# Altium PCB PCB1.PcbDoc
Units mm, origin at the board's own origin, x right, y up, seen from the top; angles counter-clockwise.
Board outline 97 x 97 mm, 2 copper layers (Top Layer, Bottom Layer); 13 components, 13 nets, 101 pads, 1 vias.
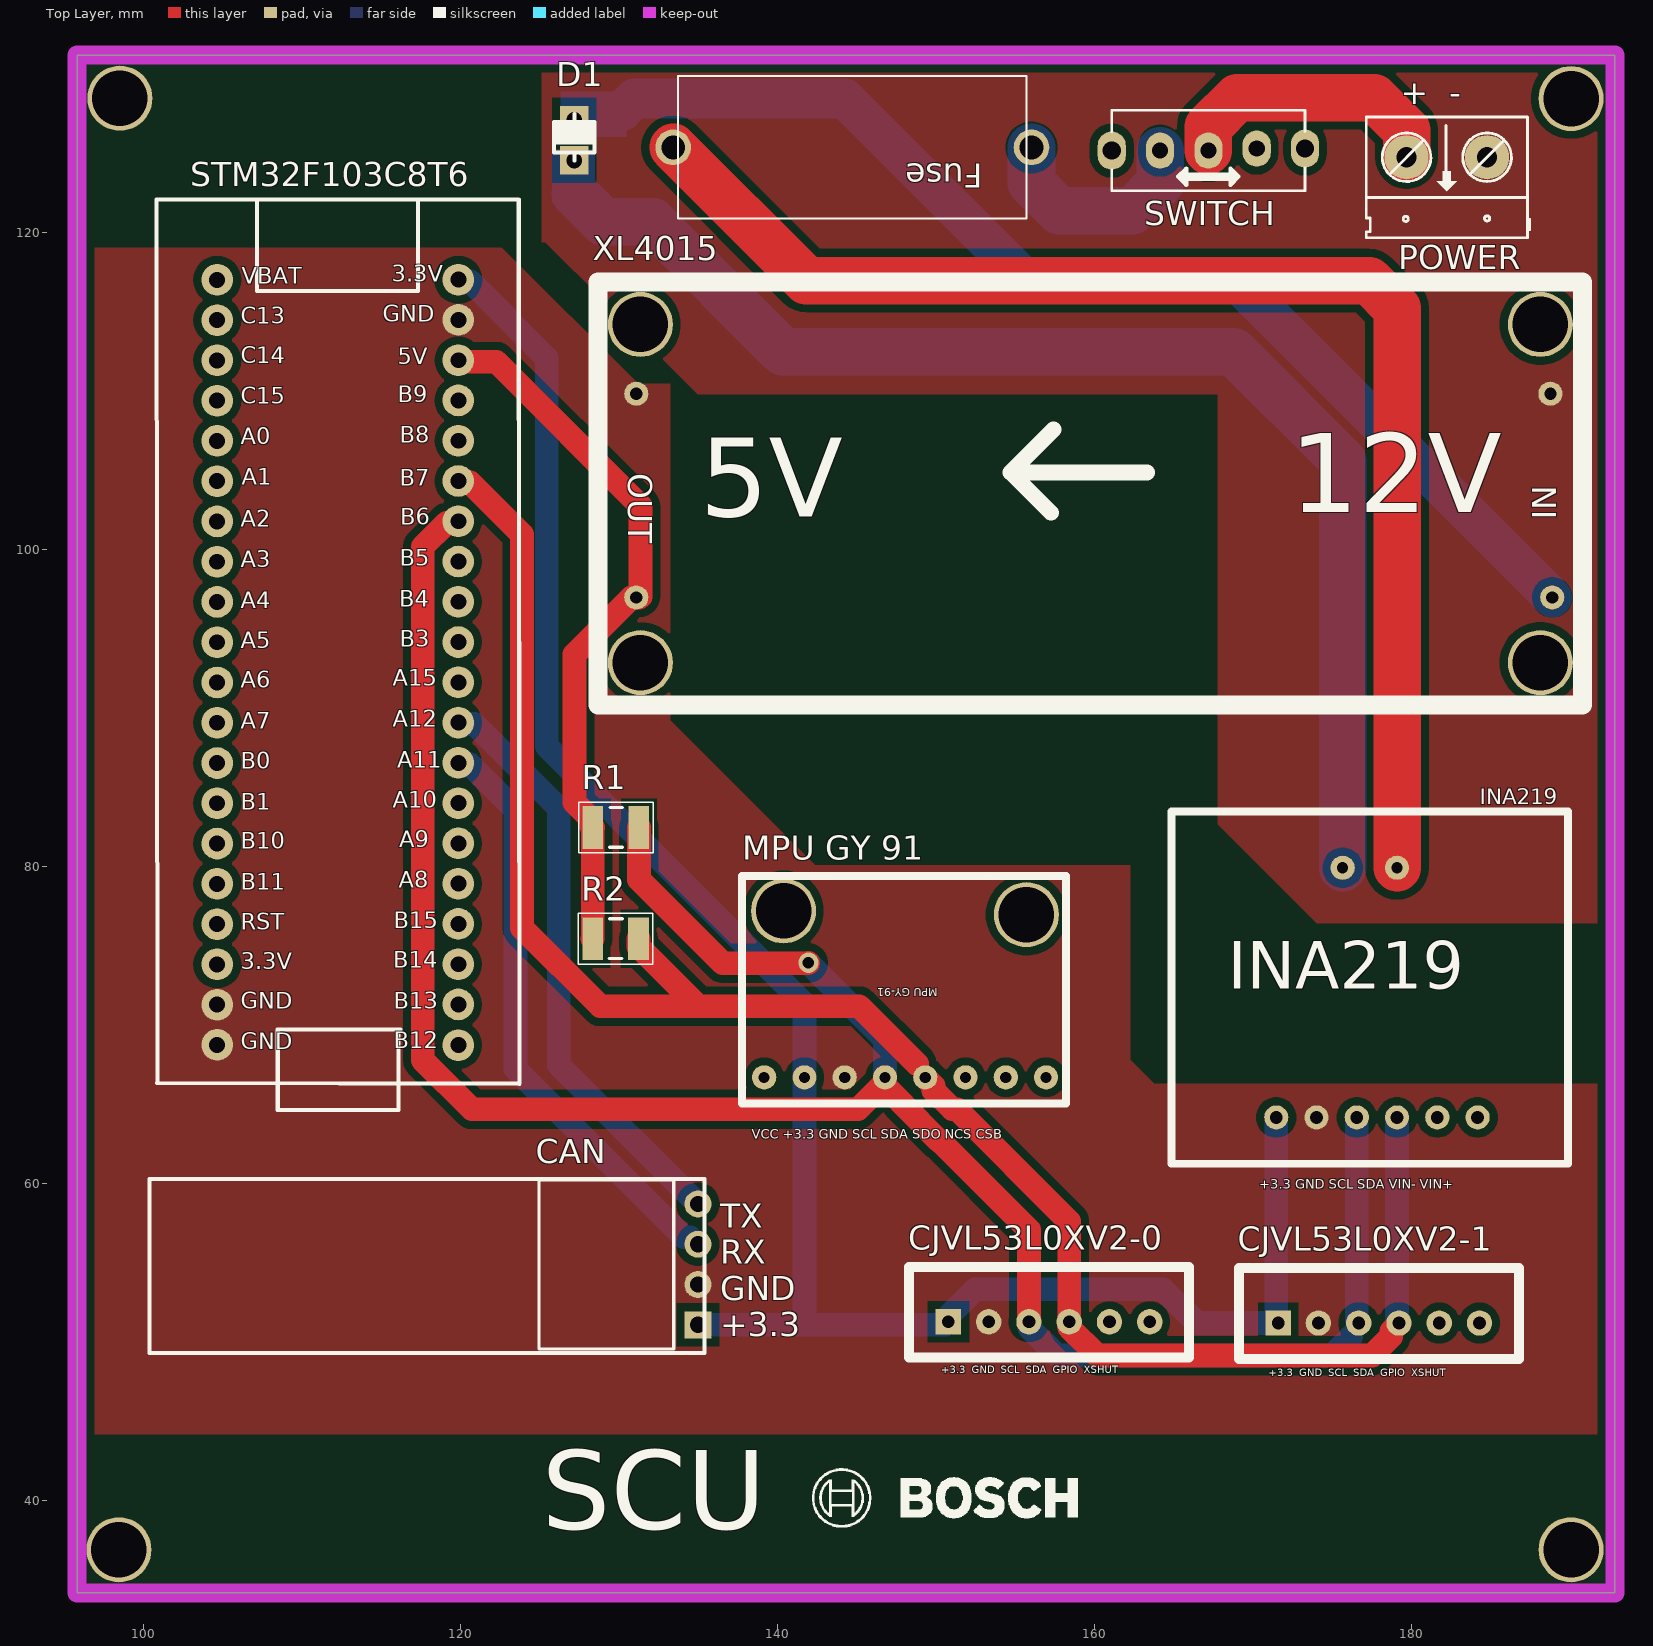
[diagram p0: Top Layer view]
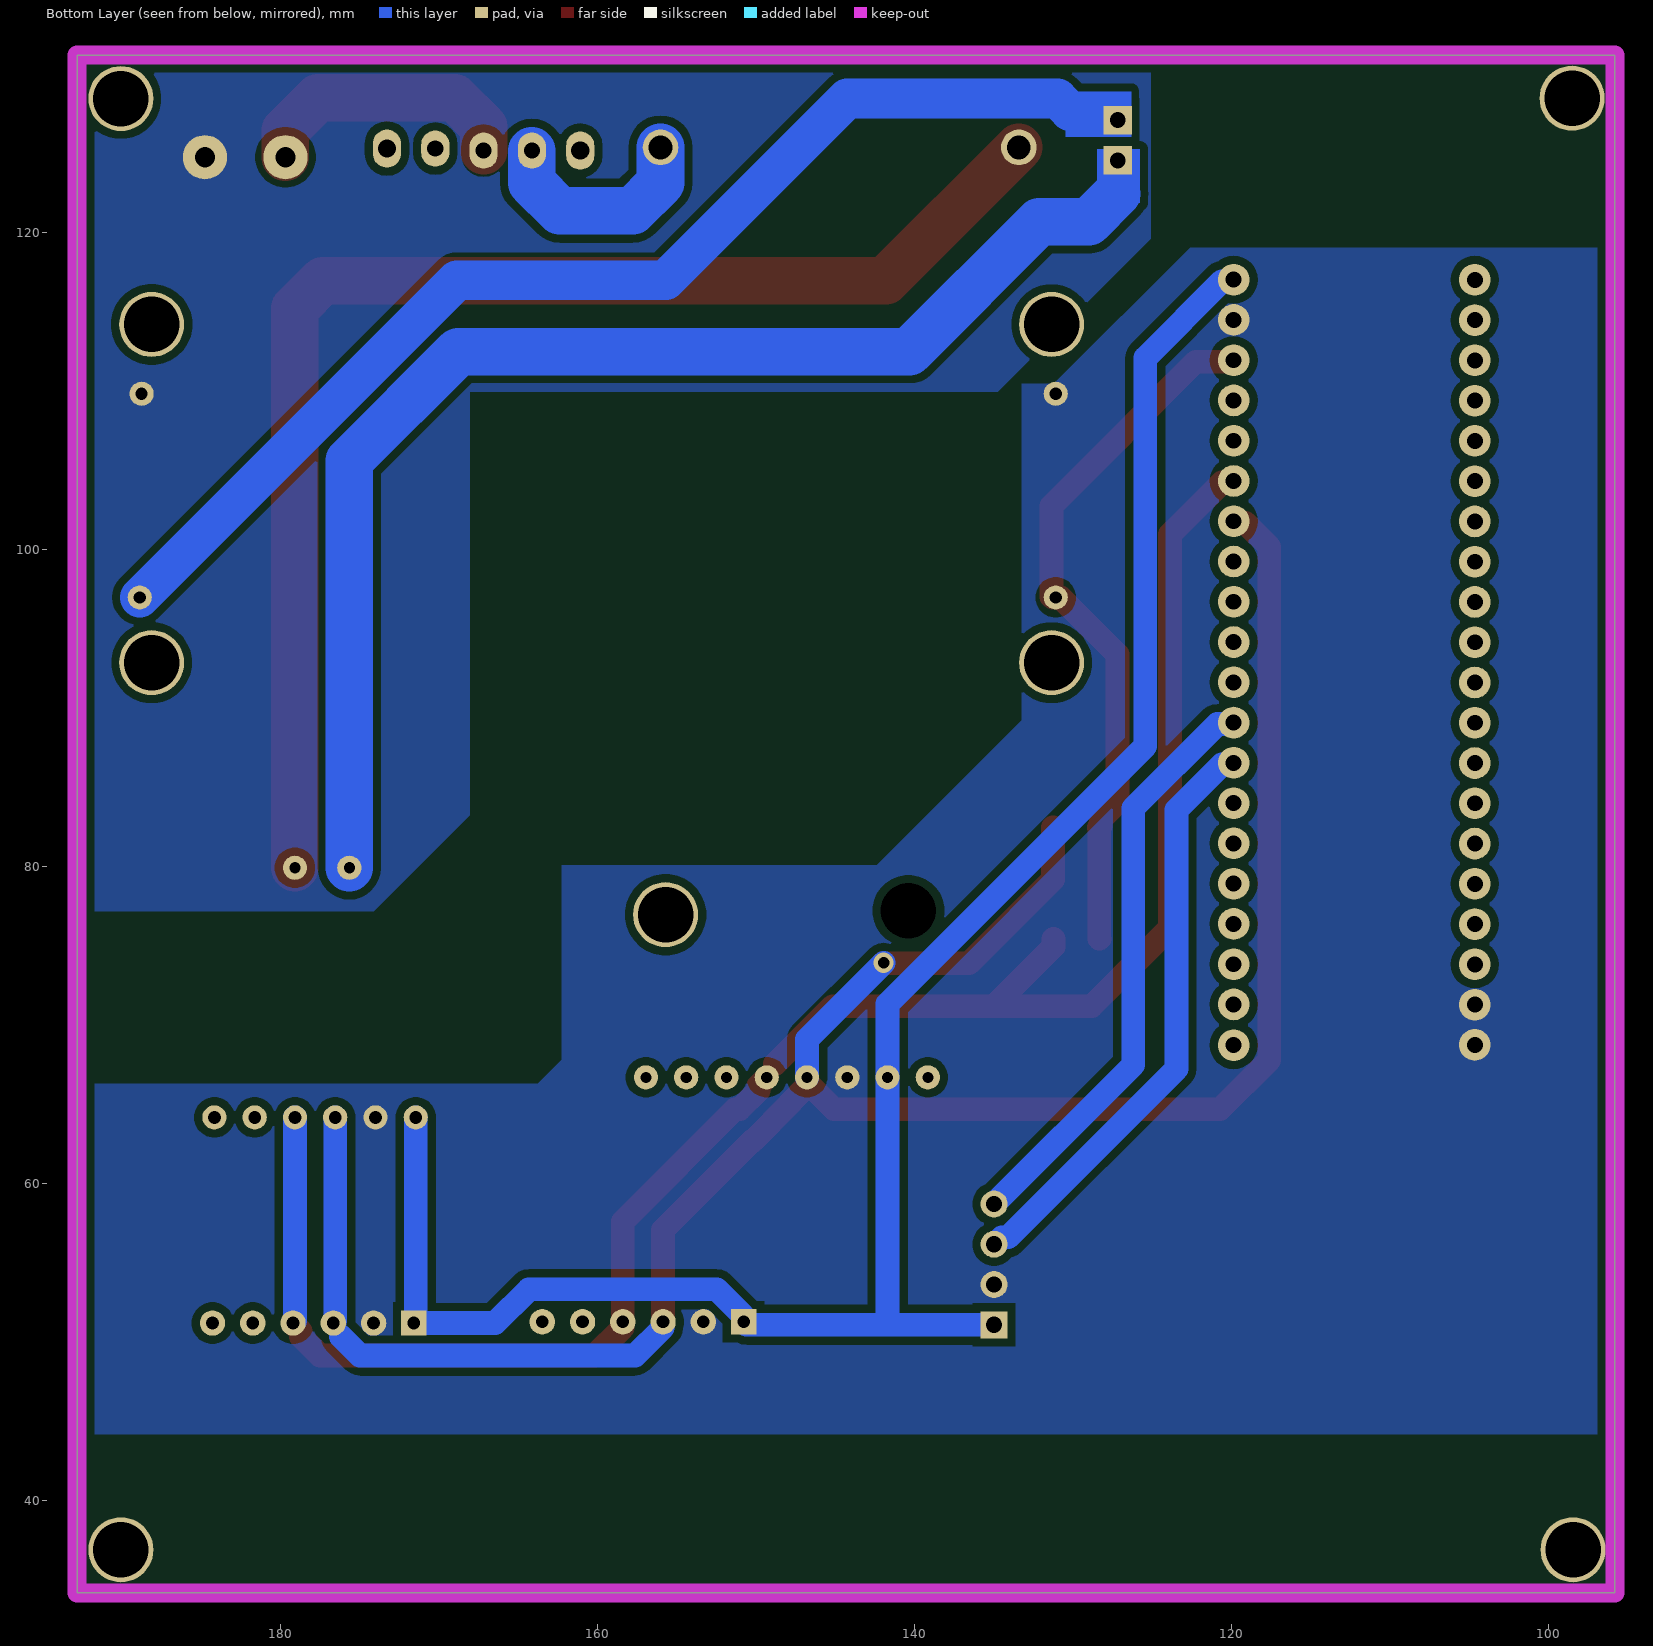
[diagram p1: Bottom Layer view, seen from below]
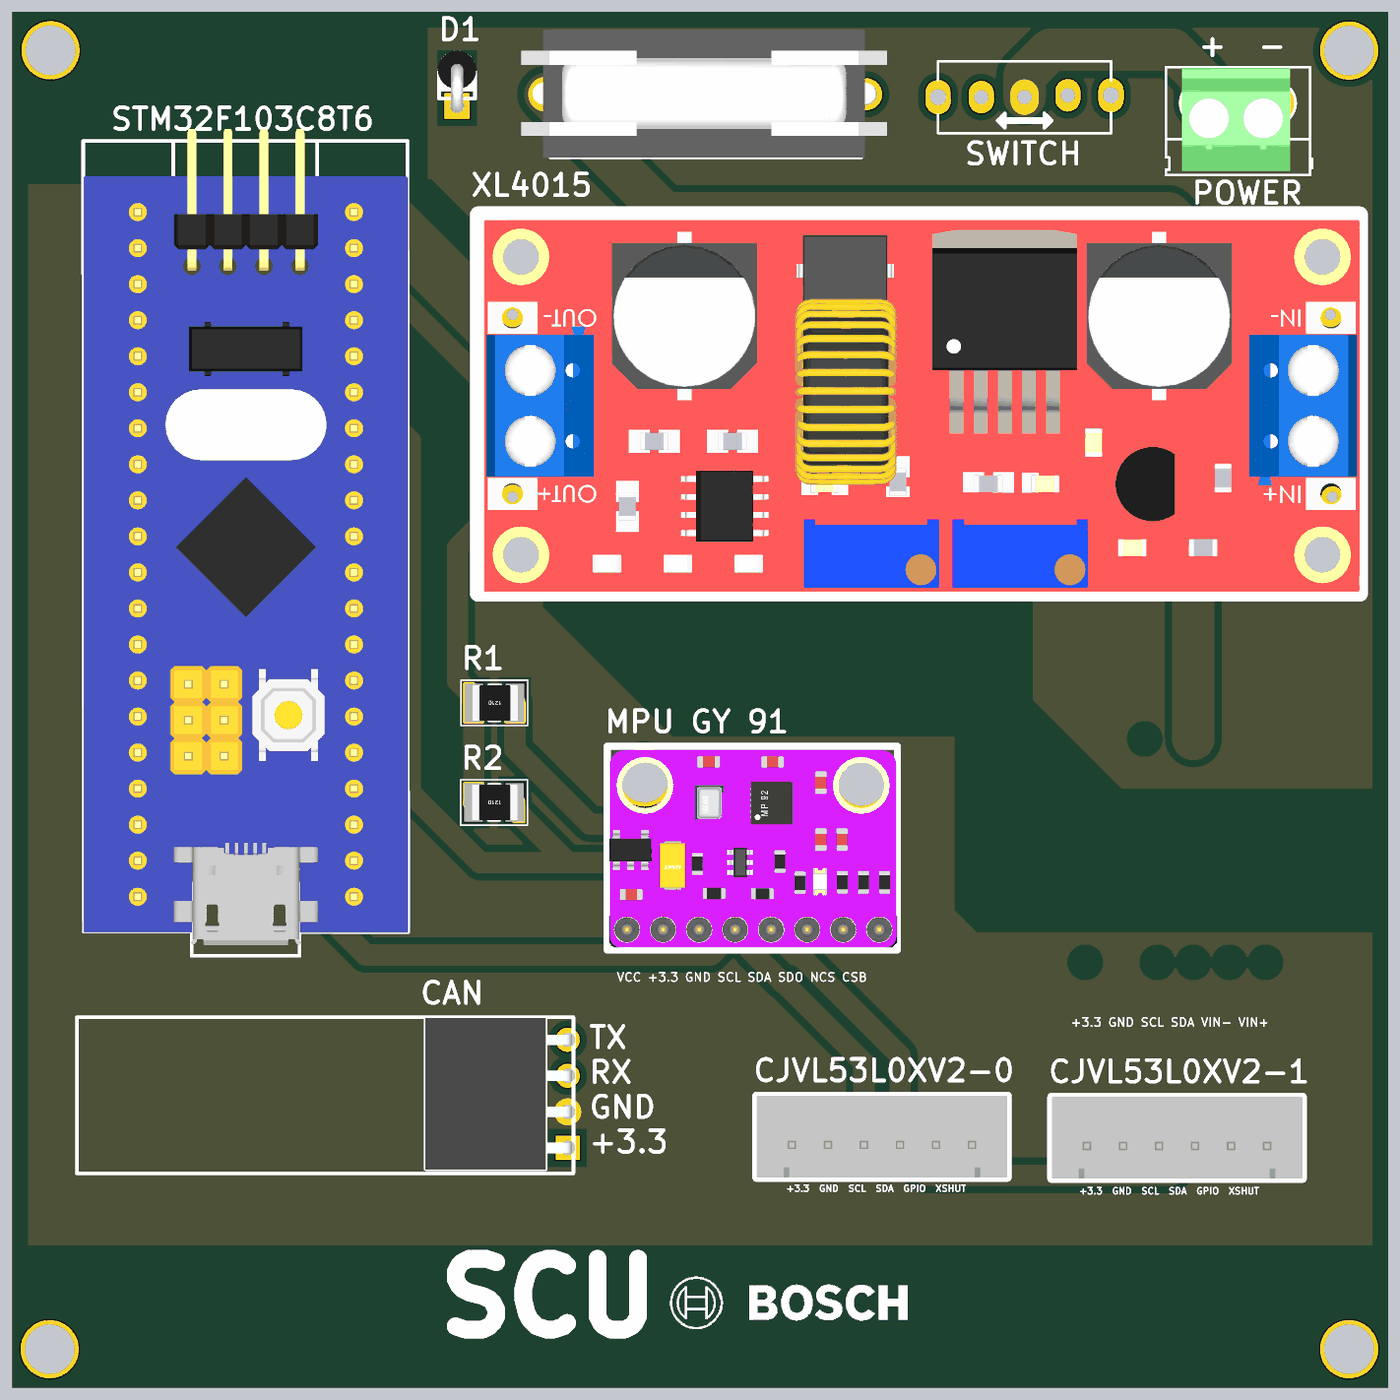
[diagram p2: 3D render of the assembled board from above, using the file's embedded part models]

## Layer stack, top to bottom
Top Solder: solder mask 0.0102, Solder Resist, Dk 3.5
Top Layer: signal copper 0.0356
Dielectric 1: dielectric 0.32, FR-4, Dk 4.8
Bottom Layer: signal copper 0.0356
Bottom Solder: solder mask 0.0102, Solder Resist, Dk 3.5

## Board outline
95.82,34.16 95.82,131.16 192.82,131.16 192.82,34.16

## Design rules (kind name [scope] priority, off if disabled: settings)
Clearance [All] p1: gap=0.5 ignorepadtopadclearanceinfootprint=FALSE
PolygonConnect [All] p1: connectstyle=Direct reliefconductorwidth=0.254 reliefentries=4 polygonreliefangle="90 Angle" airgapwidth=0.254
RoutingVias [All] p1: holewidth=0.711 width=1.27 viastyle="Through Hole" minholewidth=0.711 minwidth=1.27 maxholewidth=0.711 maxwidth=1.27
SolderMaskExpansion [All] p1: expansion=0.102 istentingtop=FALSE
SupplyNets "Schematic Supply Nets_2" [InNet('+5')] p1: voltage=0.000
SupplyNets "Schematic Supply Nets_1" [InNet('+3.3')] p2: voltage=0.000
SupplyNets "Schematic Supply Nets" [InNet('GND')] p3: voltage=0.000
Width [All] p1: maxlimit=5 minlimit=0.254 preferedwidth=0.5
30 further rules are at their usual default settings.

## Components (designator, comment, footprint, x,y, rotation, side; value= is the part's Value field where it differs from the comment)
CAN "JP 1x4 2.54" "JP 1x4 CC" 134.98,54.88 r90 top
CJVL53L0XV2-0 "CJVL53L0XV2-0" XH2.54M-6 150.78,51.26 r0 top
CJVL53L0XV2-1 "CJVL53L0XV2-1" XH2.54M-6 171.58,51.18 r0 top
D1 "100v" "DIODE 1A" 127.18,124.52 r90 top
Fuse "Fuse" Fuse3 144.72,125.34 r180 top
INA219 "INA219" INA219 184.922,16.654 r0 top
"MPU GY 91" "Component_1" "MPU GY 91" 152.495,82.428 r180 top
POWER "POWER" "Con 2 KF301 5.08" 184.76,124.72 r180 top
R1 "1k" RES-SMD-1210 129.86,82.44 r180 top
R2 "1k" RES-SMD-1210 129.837,75.42 r180 top
STM32F103C8T6 "STM32F103C8T6" "Stm32 BluePill" 112.04,98.62 r0 top
SWITCH "Slide swich vertical" SW102T 167.18,125.204 r0 top
XL4015 "XL4015" XL4015 163.48,99.82 r180 top

## Footprints (in the part's own frame and the unit in brackets; to place one, negate y for a bottom-side part, rotate by r counter-clockwise, add the part's x,y. Pads: shape width x height; smd on the part's side, far side on the other; paste and mask are expansions set on the pad)
"Con 2 KF301 5.08" [mil]
  round 110 hole 50: 1(0,0) 2(200,0)
  silkscreen extent -106,-100 300,200, body extent -45,-97 255,190, height 335
"DIODE 1A" [mm]
  rect 1.8x1.8 hole 1: 1(0,0) 2(2.54,0)
  silkscreen extent 0,-1.27 2.92,1.27, body extent -0.43,-1.37 3.91,1.36, height 10.64
Fuse3 [mm] "FUSEHOLDER BLOCKS - PCB - CLIP COVER - THT - WR-FSH"
  round 2.25 hole 1.5: 1(-11.3,0) 2(11.3,0)
  silkscreen extent -11,-4.5 11,4.5, body extent -12.77,-4.56 13.03,4.45, height 4.1
INA219 [mil]
  round 60 hole 31.5: GND(-430,1870) SCL(-330,1870) SDA(-230,1870) VCC(-530,1870) VIN+(-30,1870) VIN-(-130,1870)
  round 60 hole 27.56: VCC+(-230,2490) VCC-(-365,2490)
  silkscreen extent -790,1755 195,2630, body extent -790,1746 194,2624, height 98
"JP 1x4 CC" [mm]
  rect 1.7x1.7 hole 1.02: 1(-3.81,0)
  round 1.7 hole 1.02: 2(-1.27,0) 3(1.27,0) 4(3.81,0)
  silkscreen extent -5.33,1.52 5.33,10.03, body extent -5.33,-0.25 5.33,10.05, height 2.51
"MPU GY 91" [mil]
  round 60 hole 27.56: 3.3V(425,620) CSB(-175,620) GND(325,620) NCS(-75,620) SCL(225,620) SDA(125,620) SDO/SAO(25,620) VCC(525,620)
  silkscreen extent -225,120 580,685, body extent -225,131 575,679, height 330
RES-SMD-1210 [mm] "Chip Capacitor, Body 3.2x2.5mm, IPC Medium Density"
  rect 1.3x2.7 smd: 1(-1.397,0) 2(1.503,0)
  silkscreen extent -2.3,-1.6 2.4,1.6, body extent -1.6,-1.25 1.6,1.25, height 0.6
"Stm32 BluePill" [mm]
  round 2 hole 1: 1(7.828,-29.909) 2(7.828,-27.343) 3(7.828,-24.803) 4(7.828,-22.263) 5(7.828,-19.723) 6(7.828,-17.183) 7(7.828,-14.643) 8(7.828,-12.103) 9(7.828,-9.563) 10(7.828,-7.023) 11(7.828,-4.483) 12(7.828,-1.943) 13(7.828,0.597) 14(7.828,3.137) 15(7.828,5.677) 16(7.828,8.217) 17(7.828,10.757) 18(7.828,13.297) 19(7.828,15.837) 20(7.828,18.377) 21(-7.386,18.366) 22(-7.386,15.826) 23(-7.386,13.286) 24(-7.386,10.746) 25(-7.386,8.206) 26(-7.386,5.666) 27(-7.386,3.126) 28(-7.386,0.586) 29(-7.386,-1.954) 30(-7.386,-4.494) 31(-7.386,-7.034) 32(-7.386,-9.574) 33(-7.386,-12.114) 34(-7.386,-14.654) 35(-7.386,-17.194) 36(-7.386,-19.734) 37(-7.386,-22.274) 38(-7.386,-24.814) 39(-7.386,-27.354) 40(-7.386,-29.894)
  silkscreen extent -11.22,-34 11.69,23.43, body extent -11.18,-33.27 11.68,24.29, height 12.31
SW102T [mil] "Switch 102 On Board To"
  oval 70x90 hole 40: 1(-120,-2.5) 2(0,-2.5) 3(120,2.5)
  oval 70x95 hole 45: 4(240,2.5) 5(-240,-2.5)
  silkscreen extent -240,-102 240,98
XH2.54M-6 [mm]
  rect 1.6x1.6 hole 0.8: 1(0,0)
  round 1.6 hole 0.8: 2(2.54,0) 3(5.08,0) 4(7.62,0) 5(10.16,0) 6(12.7,0)
  silkscreen extent -2.48,-2.26 15.18,3.46, body extent -2.48,-2.26 15.18,3.48, height 6.91
XL4015 [mm]
  round 4.1 hole 3.5: 9(-24.638,6.985) 9(-24.638,-14.351) 9(32.131,-14.351) 9(32.131,6.985)
  round 1.524 hole 0.762: IN+(-25.39,2.87) IN-(-25.27,-9.98) OUT+(32.39,2.87) OUT-(32.39,-9.98)
  silkscreen extent -27.3,-17.02 34.8,9.65, body extent -27.3,-16.66 34.39,9.54, height 15.57

## Part data
CAN: library part "JP 1x4 2.54 Cai Cong", "Cắm", Chung_Loai=Cắm, Don_Vi=Con, Ma_Hang=MH001265, Ten_Linh_Kien="Jump Đơn Cái 2.54MM 1x40P Cong"
CJVL53L0XV2-0 CJVL53L0XV2-1: library part "Header 6P 2.54 Duc Thang", "Cắm", Chung_Loai=Cắm, Don_Vi=Con, Ma_Hang=MH001972, Ten_Linh_Kien="Header 6P XH2.54-6P Đực Thẳng"
D1: library part "Diode 1N4007", "Cắm", Chung_Loai=Cắm, Don_Vi=Con, Ma_Hang=MH001063, Ten_Linh_Kien="Diode 1N4007 1A (DIP)"
Fuse: library part "Fuse Holder 23mm"
POWER: library part "CON 2 KF301", "Cắm", Chung_Loai=Cắm, Don_Vi=Con, Ma_Hang=MH000987, Ten_Linh_Kien="CON 2 KF301-2P 5.08MM Xanh Dương"
R1 R2: library part R, "Resistor R1/4W"
STM32F103C8T6: library part BluePill, "Designed By @Alixahedi"

## Free pads (board coordinates)
  round 4.1 hole 3.5: 5(98.46,36.88) 5(98.52,128.44) 5(190.06,36.88) 5(190.06,128.42) 6(155.7,76.94)
  round 4.1 / inner round 1.524 / far side round 1.524 hole 3.5: 6(140.38,77.18)

## Via types
v1: diameter 1.27, hole 0.711, Top Layer to Bottom Layer, 1 vias

## Nets (pads, with @x,y where several pads share a name; then routed paths per layer and width w, separated by ;. In a path a pad name is that pad's centre, name@x,y a point inside that pad or via, vN(x,y) a via of type N, cw(c..) or ccw(c..) an arc to the next point about the centre after c; other vN are vias at no path point)
12_GND: POWER.1 XL4015.IN-
12_VIN: POWER.2 SWITCH.2 | length 17.3
  Top Layer w3: SWITCH.2 167.18,126.653 169.001,128.473 177.627,128.473 179.68,126.42 POWER.2
12V: D1.1 INA219.VCC- | length 81.1
  Bottom Layer w3: 127.24,122.409 128.997,120.652 132.128,120.652 140.32,112.46 168.764,112.46 175.651,105.573 INA219.VCC-
12V_NoMeasured: Fuse.2 INA219.VCC+ | length 85.1
  Top Layer w3: Fuse.2 141.82,116.94 177.323,116.94 179.08,115.183 INA219.VCC+
+3.3: "MPU GY 91.3.3V" CAN.1 CJVL53L0XV2-0.1 CJVL53L0XV2-1.1 INA219.VCC STM32F103C8T6.20 | length 127
  Bottom Layer w1.5: STM32F103C8T6.20 119.964,116.901 120.606,116.901 125.44,112.067 125.44,87.58 141.7,71.32 141.7,66.68 141.7,51.13 141.64,51.07 ; CAN.1 141.64,51.07 ; INA219.VCC 171.46,51.3 CJVL53L0XV2-1.1 166.459,51.18 164.329,53.31 152.471,53.31 150.83,51.669 150.83,51.31 CJVL53L0XV2-0.1 150.59,51.07 141.64,51.07
+5: R1.2 R2.2 STM32F103C8T6.18 XL4015.OUT+ | length 45.2
  Top Layer w1.5: STM32F103C8T6.18 119.964,111.821 122.259,111.821 131.362,102.718 XL4015.OUT+@131.362,97 ; R2.2 128.346,75.432 128.346,82.429 R1.2 128.257,82.54 128.257,83.04 128.157,83.14 128.079,83.14 127.2,84.019 127.2,93.353 130.793,96.945 XL4015.OUT+@131.079,96.945 ; XL4015.OUT+@130.973,96.945 131.265,96.945 XL4015.OUT+@131.27,96.95
CAN_RX_MCU1: CAN.3 STM32F103C8T6.8 | length 37.3
  Bottom Layer w1.5: STM32F103C8T6.8 119.964,86.421 120.606,86.421 123.48,83.547 123.48,67.22 134.11,56.59 134.486,56.59 134.926,56.15 CAN.3
CAN_TX_MCU1: CAN.4 STM32F103C8T6.9 | length 37.2
  Bottom Layer w1.5: STM32F103C8T6.9 119.964,88.961 120.894,88.961 126.2,83.656 126.2,67.47 CAN.4
GND: "MPU GY 91.GND" CAN.2 CJVL53L0XV2-0.2 CJVL53L0XV2-1.2 INA219.GND STM32F103C8T6.19 STM32F103C8T6.39 STM32F103C8T6.40 XL4015.OUT-
NetD1_2: D1.2 XL4015.IN+ | length 73.9
  Bottom Layer w2.5: 128.39,127.43 128.59,127.63 130.19,127.63 130.98,128.42 144.24,128.42 155.7,116.96 168.86,116.96 XL4015.IN+
NetFuse_1: Fuse.1 SWITCH.1 | length 13.9
  Bottom Layer w3: Fuse.1 156.02,123.097 157.777,121.34 162.375,121.34 164.132,123.097 SWITCH.1
SCL_MCU1: "MPU GY 91.SCL" CJVL53L0XV2-0.3 CJVL53L0XV2-1.3 INA219.SCL R1.1 STM32F103C8T6.14 | length 146.3
  Top Layer w1.5: STM32F103C8T6.14 119.773,101.661 119.131,101.661 117.618,100.149 117.618,67.78 120.73,64.668 145.073,64.668 146.775,66.37 146.775,66.675 146.78,66.68 146.785,66.675 146.785,66.135 147.848,65.072 147.848,65.018 150.198,62.668 150.252,62.668 155.86,57.06 CJVL53L0XV2-0.3 ; R1.1 131.257,79.163 132.195,78.225 132.196,78.225 136.542,73.88 141.92,73.88 v1(141.944,73.904)
  Bottom Layer w1.5: v1(141.944,73.904) 146.775,69.073 146.775,66.685 146.78,66.68 ; CJVL53L0XV2-0.3 155.879,51.241 155.879,50.882 157.631,49.13 174.969,49.13 176.17,50.331 ; INA219.SCL 176.54,51.327 176.66,51.207 CJVL53L0XV2-1.3
SDA_MCU1: "MPU GY 91.SDA" CJVL53L0XV2-0.4 CJVL53L0XV2-1.4 INA219.SDA R2.1 STM32F103C8T6.15 | length 119.8
  Top Layer w1.5: STM32F103C8T6.15 119.964,104.201 120.606,104.201 123.886,100.921 123.886,76.1 128.82,71.167 134.987,71.167 ; R2.1 131.234,74.92 134.987,71.167 ; 148.792,67.513 145.139,71.167 134.987,71.167 ; 149.32,66.68 149.32,66.674 149.848,66.146 149.848,65.847 151.027,64.668 151.326,64.668 158.4,57.594 CJVL53L0XV2-0.4 158.419,51.241 158.419,50.882 160.171,49.13 177.509,49.13 178.71,50.331 178.71,50.663 179.2,51.153 CJVL53L0XV2-1.4
  Bottom Layer w1.5: INA219.SDA 179.08,51.327 179.2,51.207 CJVL53L0XV2-1.4
pads on no net: "MPU GY 91.CSB" "MPU GY 91.NCS" "MPU GY 91.SDO/SAO" "MPU GY 91.VCC" CJVL53L0XV2-0.5 CJVL53L0XV2-0.6 CJVL53L0XV2-1.5 CJVL53L0XV2-1.6 INA219.VIN+ INA219.VIN- STM32F103C8T6.1 STM32F103C8T6.2 STM32F103C8T6.3 STM32F103C8T6.4 STM32F103C8T6.5 STM32F103C8T6.6 STM32F103C8T6.7 STM32F103C8T6.10 STM32F103C8T6.11 STM32F103C8T6.12 STM32F103C8T6.13 STM32F103C8T6.16 STM32F103C8T6.17 STM32F103C8T6.21 STM32F103C8T6.22 STM32F103C8T6.23 STM32F103C8T6.24 STM32F103C8T6.25 STM32F103C8T6.26 STM32F103C8T6.27 STM32F103C8T6.28 STM32F103C8T6.29 STM32F103C8T6.30 STM32F103C8T6.31 STM32F103C8T6.32 STM32F103C8T6.33 STM32F103C8T6.34 STM32F103C8T6.35 STM32F103C8T6.36 STM32F103C8T6.37 STM32F103C8T6.38 SWITCH.3 SWITCH.4 SWITCH.5 XL4015.9

## Polygon pours and split planes (outlines as drawn)
12_GND on Top Layer "12_GND_L01_P008" (solid, remove dead copper, pour order 8): 125.1,130.051 125.12,130.031 125.12,119.36 125.36,119.36 134.96,109.76 167.76,109.76 167.76,82.64 174,76.4 192.72,76.4 192.72,131.06 192.82,131.16
GND on Top Layer "NONET_L01_P-001" (solid, remove dead copper, pour order 6): 96.929,119 122.62,119 131.2,110.42 133.22,110.42 133.22,89.22 142.38,80.06 162.26,80.06 162.26,67.78 163.76,66.28 191.711,66.28 191.711,44.18 95.64,44.18 95.64,119.04 95.66,119.06
12_GND on Bottom Layer "12_GND_L02_P007" (solid, remove dead copper, pour order 7): 125.1,131.38 125.1,119.58 134.74,109.94 168.06,109.94 168.06,83.22 174.12,77.16 193.18,77.16 193.18,130.5 192.68,131
GND on Bottom Layer "NONET_L01_P-001" (solid, remove dead copper, pour order 5): 95.32,119 122.62,119 131.2,110.42 133.22,110.42 133.22,89.22 142.38,80.06 162.26,80.06 162.26,67.78 163.76,66.28 192.74,66.28 192.74,44.62 192.88,44.48 192.58,44.18 95.64,44.18 95.64,118.7 95.42,118.92

## Keep-outs
Keep-Out Layer:
  the board outline again, w1.2

## Other copper
Bottom Layer:
  rectangle net NetD1_2: 126.32,125.98 130.46,128.88
  rectangle net 12V: 125.76,121.82 128.48,125.24

## Silkscreen, mask and mechanical layers (free items; w line width, h text height)
Top Overlay:
  drawing of 16 lines, arcs and shapes, not listed
  text "+  -" at 179.314,128.074 h1.52
  text "12V" at 172.3,102.34 h5
  text "5V" at 135.1,102.04 h5
  text "VCC +3.3 GND SCL SDA SDO NCS CSB" at 138.38,62.82 h0.6
  text "+3.3 GND SCL SDA VIN- VIN+" at 170.38,59.64 h0.6
  text "TX / RX / GND / +3.3" at 136.4,50.34 h1.52
  text "+3.3  GND  SCL  SDA  GPIO  XSHUT" at 150.32,48 h0.45
  text "+3.3  GND  SCL  SDA  GPIO  XSHUT" at 170.98,47.82 h0.45
  text "SCU" at 125.14,38.18 h5

## Text inside footprints (layer, text, board x,y; h text height)
"MPU GY 91": Top Overlay "MPU GY-91" at 150.109,72.295 h0.5 r180
STM32F103C8T6: Top Overlay "5V" at 116.033,111.314 h1.78; Top Overlay "B9" at 116.033,108.901 h1.78; Top Overlay "B8" at 116.16,106.361 h1.78; Top Overlay "3.3V" at 115.652,116.521 h1.78; Top Overlay "GND" at 115.088,114.007 h1.78; Top Overlay "A5" at 106.127,93.407 h1.78; Top Overlay "A2" at 106.127,101.058 h1.78; Top Overlay "A3" at 106.127,98.513 h1.78; Top Overlay "A4" at 106.127,95.928 h1.78; Top Overlay "RST" at 106.127,75.627 h1.78; Top Overlay "B10" at 106.127,80.758 h1.78; Top Overlay "B11" at 106.127,78.173 h1.78; Top Overlay "A6" at 106.127,90.918 h1.78; Top Overlay "A7" at 106.127,88.333 h1.78; Top Overlay "B0" at 106.127,85.787 h1.78; Top Overlay "B1" at 106.127,83.228 h1.78; Top Overlay "3.3V" at 106.127,73.164 h1.78; Top Overlay "B15" at 115.789,75.729 h1.78; Top Overlay "A8" at 116.096,78.294 h1.78; Top Overlay "A11" at 116.013,85.869 h1.78; Top Overlay "B3" at 116.16,93.509 h1.78; Top Overlay "A9" at 116.127,80.86 h1.78; Top Overlay "A15" at 115.726,91.02 h1.78; Top Overlay "A12" at 115.726,88.435 h1.78; Top Overlay "A10" at 115.726,83.349 h1.78; Top Overlay "VBAT" at 106.2,116.4 h1.78; Top Overlay "B5" at 116.16,98.614 h1.78; Top Overlay "B14" at 115.759,73.245 h1.78; Top Overlay "B7" at 116.16,103.649 h1.78; Top Overlay "B4" at 116.127,96.029 h1.78; Top Overlay "B6" at 116.19,101.18 h1.78; Top Overlay "C15" at 106.127,108.825 h1.78; Top Overlay "C13" at 106.127,113.88 h1.78; Top Overlay "C14" at 106.127,111.391 h1.78; Top Overlay "A0" at 106.127,106.26 h1.78; Top Overlay "A1" at 106.198,103.7 h1.78; Top Overlay "GND" at 106.127,70.674 h1.78; Top Overlay "B13" at 115.779,70.674 h1.78; Top Overlay "GND" at 106.127,68.109 h1.78; Top Overlay "B12" at 115.789,68.165 h1.78
XL4015: Top Overlay "IN" at 189.134,101.852 h1.52 r90; Top Overlay "OUT" at 130.587,104.773 h1.52 r270